# Altium PCB PCB.PcbDoc
Units mm, origin at the board's own origin, x right, y up, seen from the top; angles counter-clockwise.
Board outline 40.26 x 40.9 mm, 2 copper layers (Top Layer, Bottom Layer); 46 components, 56 nets, 198 pads, 74 vias.
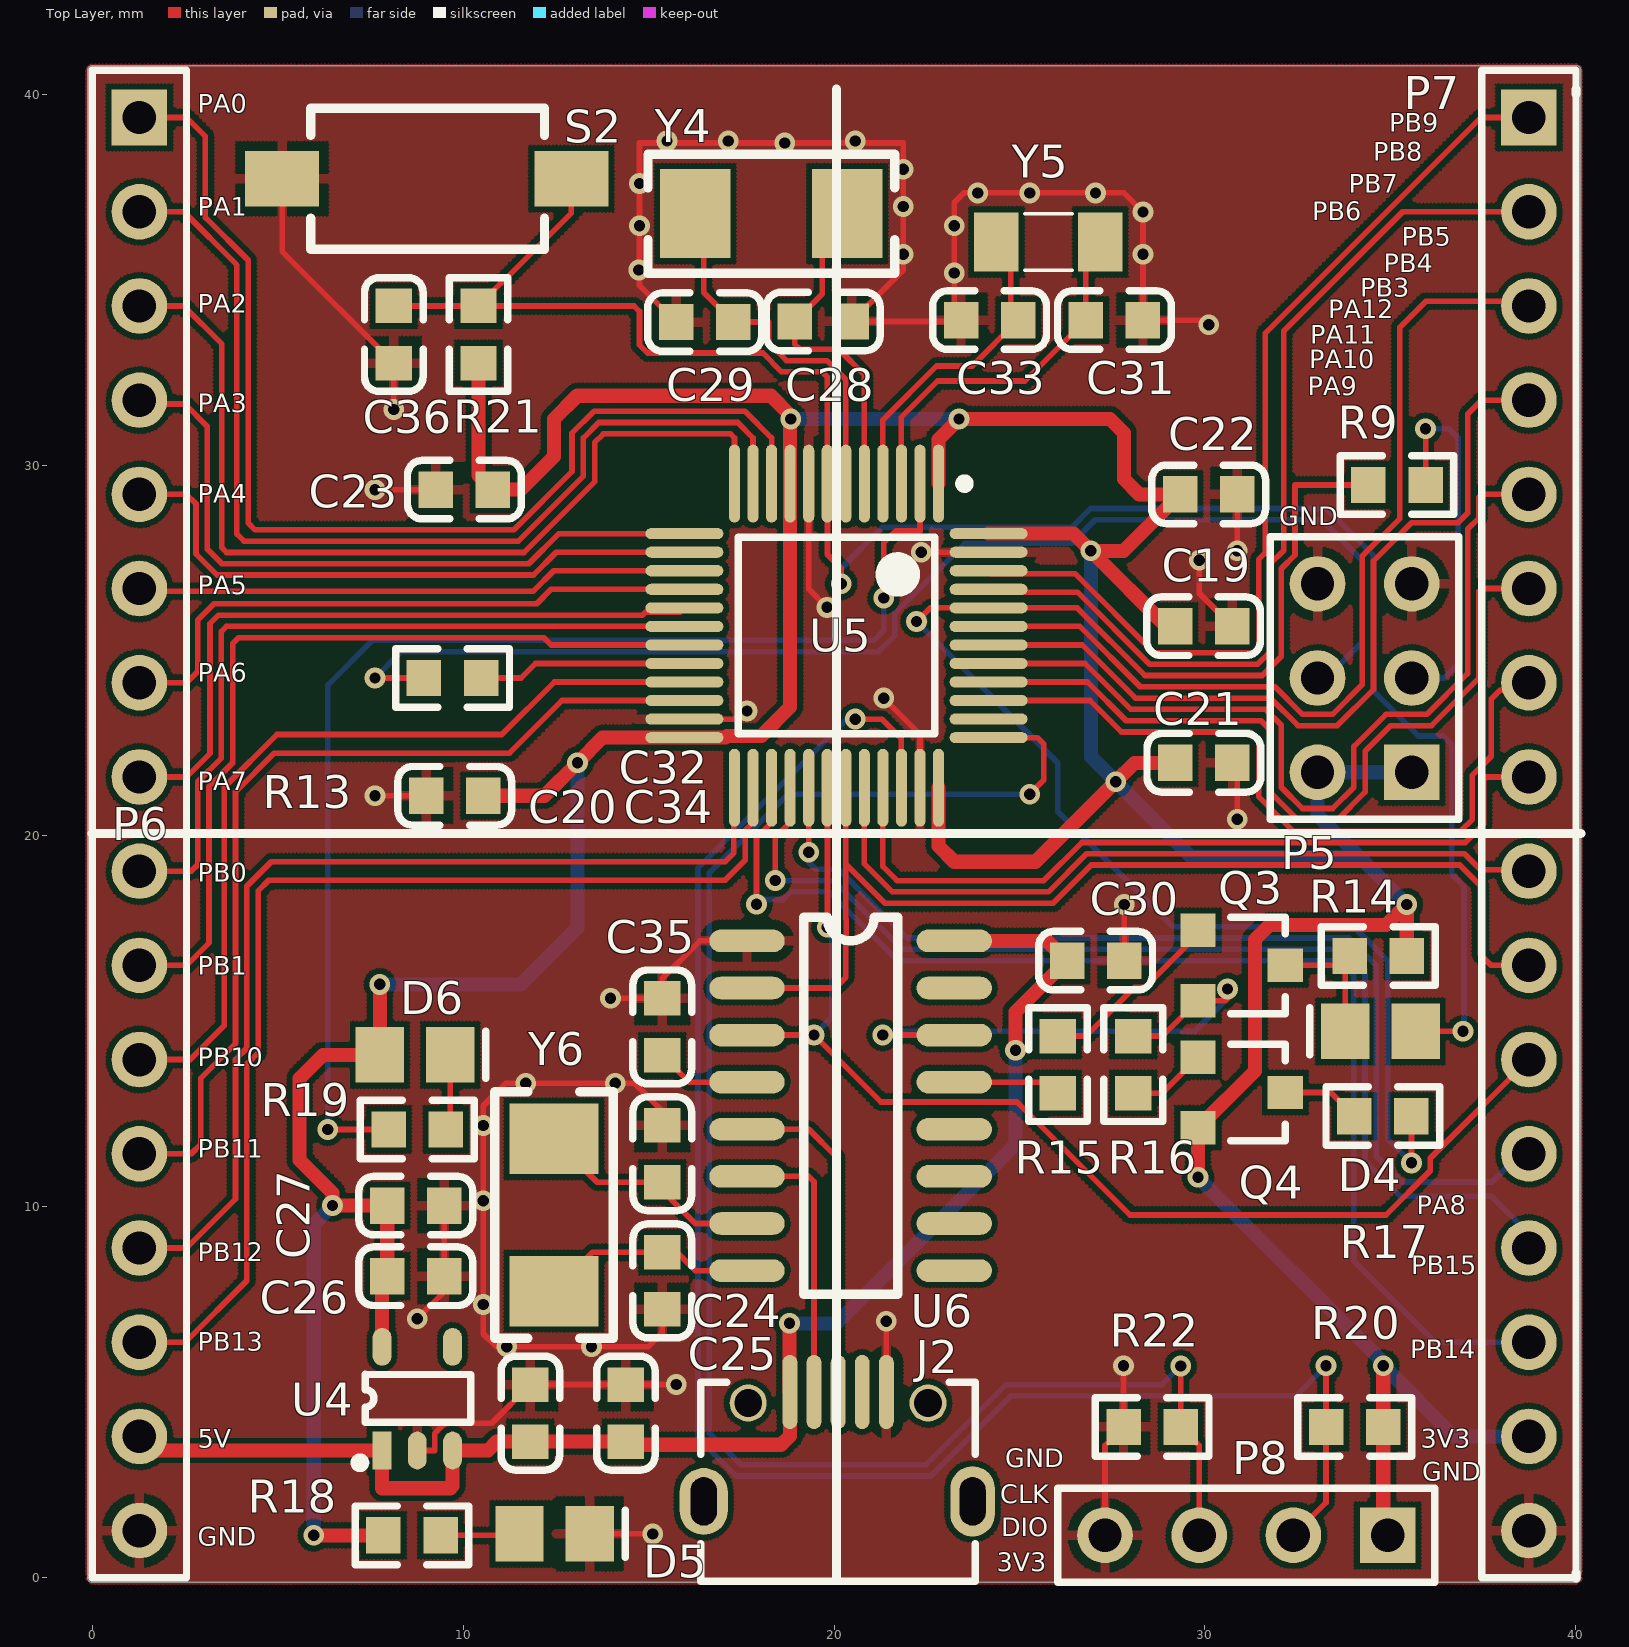
[diagram p0: Top Layer view]
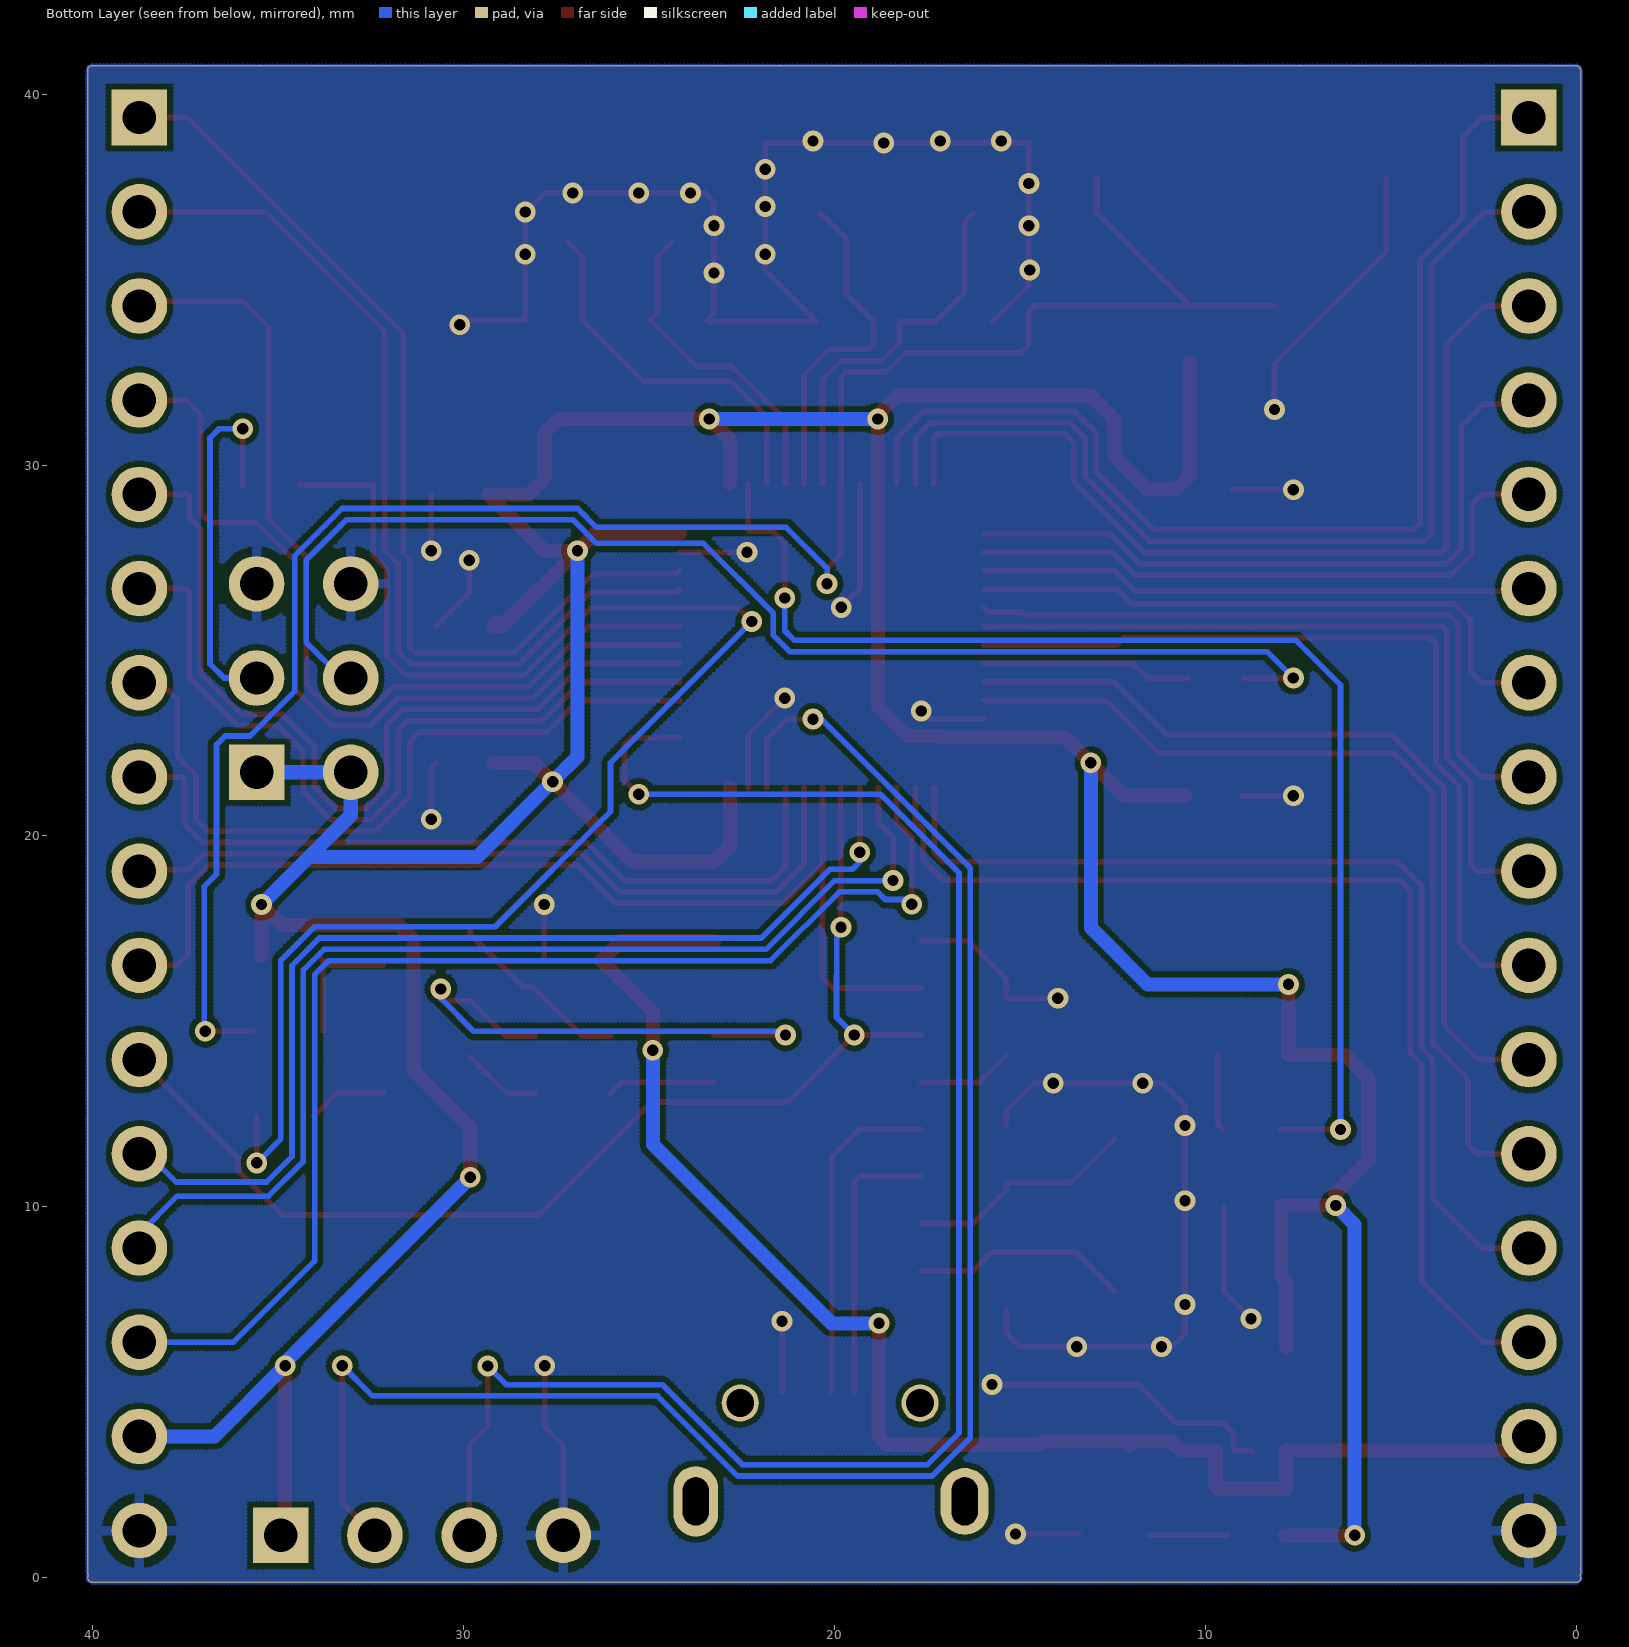
[diagram p1: Bottom Layer view, seen from below]
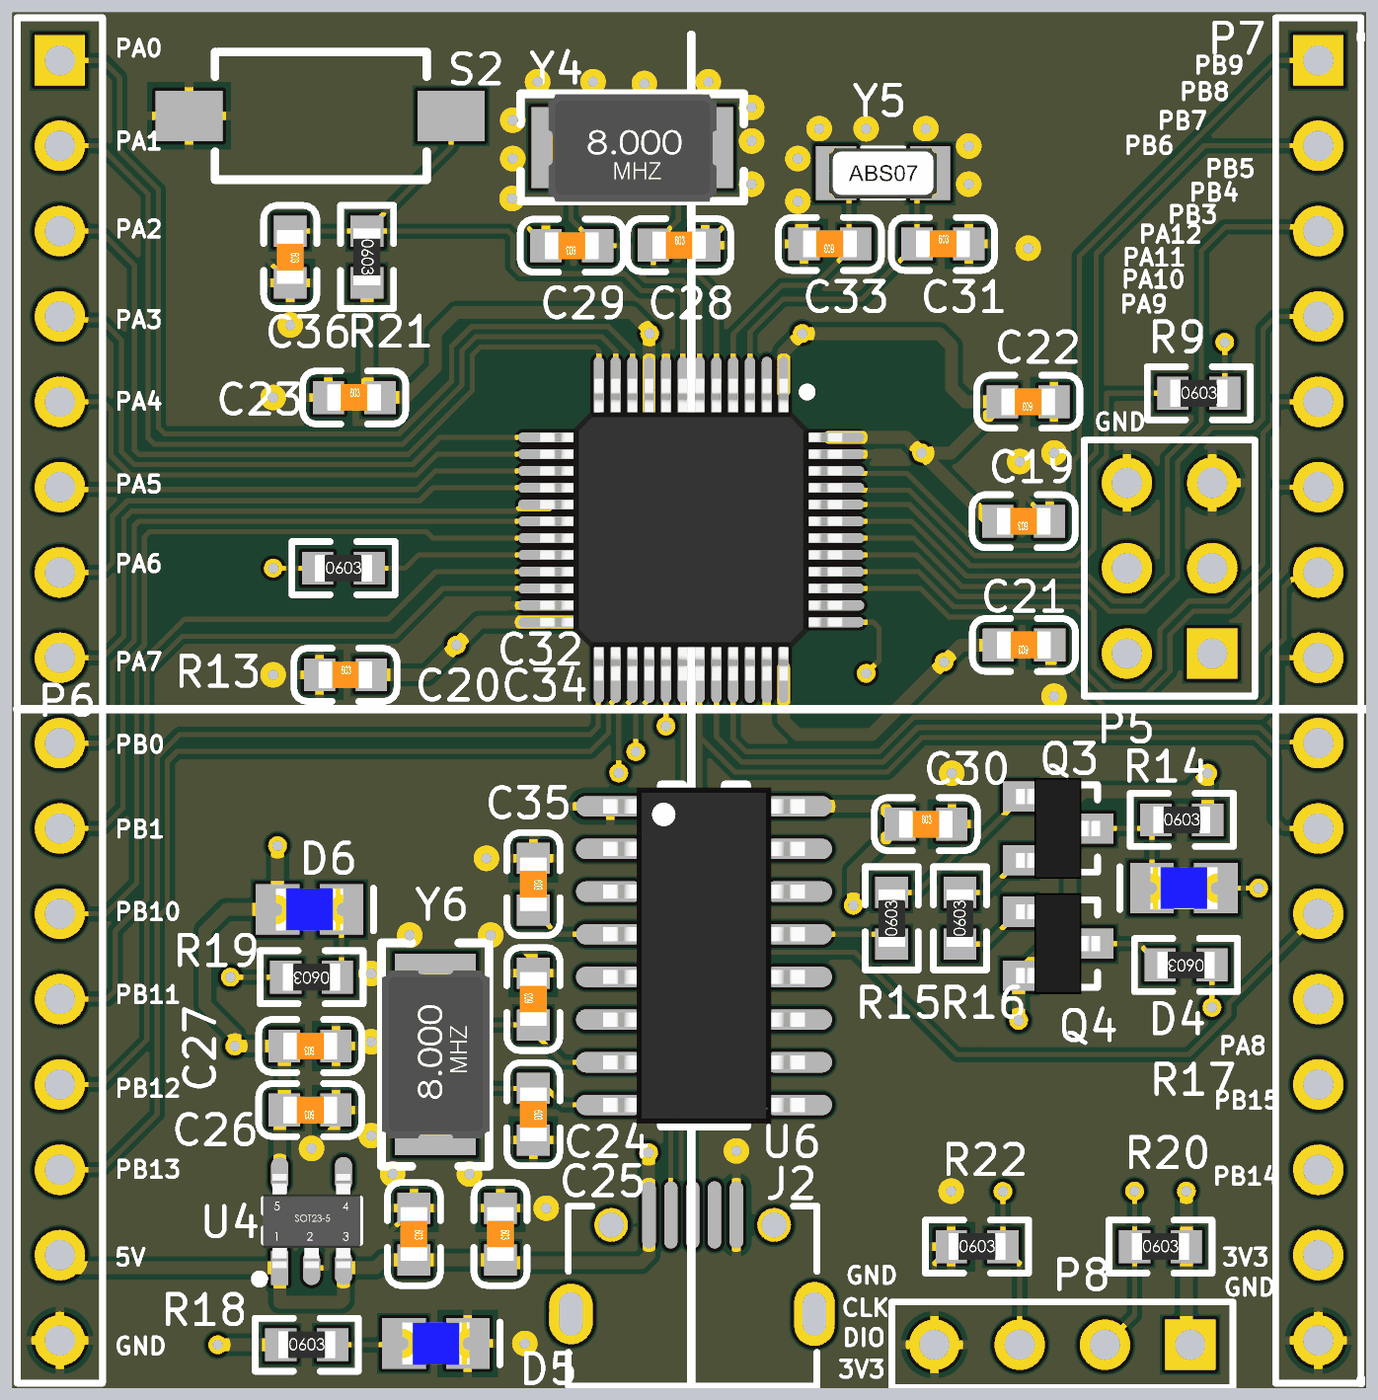
[diagram p2: 3D render of the assembled board from above, using the file's embedded part models]

## Layer stack, top to bottom
Top Solder: solder mask 0.0102, Solder Resist, Dk 3.5
Top Layer: signal copper 0.0356
Dielectric 1: dielectric 0.32, FR-4, Dk 4.8
Bottom Layer: signal copper 0.0356
Bottom Solder: solder mask 0.0102, Solder Resist, Dk 3.5

## Board outline
-0.11,0.064 cw(c0,0.127) -0.127,0.127 -0.127,40.638 cw(c0,40.638) 0,40.766 40.005,40.771 cw(c40.005,40.643) 40.132,40.643 40.132,0.132 cw(c40.005,0.132) 40.111,0.062 cw(c40,0) 40.127,0 cw(c40,0) 40,-0.127 0,-0.127 cw(c0,0)

## Design rules (kind name [scope] priority, off if disabled: settings)
Clearance [All] p1: gap=0.152 ignorepadtopadclearanceinfootprint=FALSE
DiffPairsRouting [All] p1: maxlimit=0.178 minlimit=0.178 mostfreqgap=0.178 toplayer_minwidth=0.152 toplayer_maxwidth=0.152 toplayer_prefwidth=0.152 bottomlayer_minwidth=0.152 bottomlayer_maxwidth=0.152 bottomlayer_prefwidth=0.152 maxuncoupledlength=12.7
PolygonConnect [All] p1: thpad.connectstyle=Relief thpad.reliefconductorwidth=0.254 thpad.reliefentries=4 thpad.polygonreliefangle="90 Angle" thpad.airgapwidth=0.254 smdpad.connectstyle=Relief smdpad.reliefconductorwidth=0.254 smdpad.reliefentries=4 smdpad.polygonreliefangle="90 Angle" smdpad.airgapwidth=0.254 via.connectstyle=Direct via.reliefconductorwidth=0.254 via.reliefentries=4 via.polygonreliefangle="90 Angle" via.airgapwidth=0.254
RoutingVias [All] p1: holewidth=0.305 width=0.559 viastyle="Through Hole" minholewidth=0.305 minwidth=0.559 maxholewidth=0.305 maxwidth=0.559
SilkToSilkClearance [All] p1: silktosilkclearance=0.051
SilkToSolderMaskClearance [IsPad] p1: minsilkscreentomaskgap=0.051 clearancetoexposedcopper=TRUE
SolderMaskExpansion [All] p1: expansion=0.102
Width pwr [InNetClass('PWR')] p1: maxlimit=1.524 minlimit=0.381 preferedwidth=0.381
Width [All] p2: maxlimit=0.152 minlimit=0.152 preferedwidth=0.152
27 further rules are at their usual default settings.

## Classes and differential pairs
net class pwr: 3V3 5V
differential pair USB: +D+ -D-

## Components (designator, comment, footprint, x,y, rotation, side; value= is the part's Value field where it differs from the comment)
C19 "Cap" 0603_C 29.964,25.654 r180 top value=0.1uF
C20 "Cap" 0603_C 9.771,21.082 r0 top value=0.1uF
C21 "Cap" 0603_C 29.972,21.971 r180 top value=0.1uF
C22 "Cap" 0603_C 30.099,29.21 r180 top value=0.1uF
C23 "Cap" 0603_C 10.033,29.337 r0 top value=0.1uF
C24 "Cap" 0603_C 11.811,4.437 r270 top value=0.1uF
C25 "Cap" 0603_C 14.387,4.437 r270 top value=1uF
C26 "Cap" 0603_C 8.722,8.128 r180 top value=1uF
C27 "Cap" 0603_C 8.722,10.033 r180 top value=0.1uF
C28 "Cap" 0603_C 19.706,33.872 r0 top value=22pF
C29 "Cap" 0603_C 16.51,33.856 r180 top value=22pF
C30 "Cap" 0603_C 27.051,16.637 r0 top value=0.1uF
C31 "Cap" 0603_C 27.559,33.909 r0 top value=22pF
C32 "Cap" 0603_C 15.367,14.851 r270 top value=0.1uF
C33 "Cap" 0603_C 24.193,33.909 r180 top value=22pF
C34 "Cap" 0603_C 15.367,11.432 r90 top value=22pF
C35 "Cap" 0603_C 15.367,8.003 r270 top value=22pF
C36 "Cap" 0603_C 8.128,33.52 r270 top value=0.1uF
D4 "LED0" LED_0805_Blue 34.732,14.732 r180 top
D5 "LED0" LED_0805_Blue 12.465,1.18 r0 top
D6 "LED0" LED_0805_Blue 8.702,14.097 r0 top
J2 "USB_M" USB 20.084,2.032 r0 top
P5 "Header 3*2" HDR3X2 34.306,24.257 r90 top
P6 "Header 16" HDR16X1_A 1.27,20.32 r270 top
P7 "Header 16" HDR16X1_A 38.735,20.32 r270 top
P8 "Header 4" HDR4X1_A 31.115,1.143 r180 top
Q3 "SS8050" SOT-23 30.988,16.51 r270 top
Q4 "SS8550" SOT-23 30.988,13.081 r270 top
R9 "Res1" 0603_R 35.179,29.464 r0 top value=10K
R13 "Res1" 0603_R 9.713,24.257 r0 top value=10K
R14 "Res1" 0603_R 34.671,16.764 r0 top value=10K
R15 "Res1" 0603_R 26.035,13.835 r90 top value=1K
R16 "Res1" 0603_R 28.067,13.835 r90 top value=1K
R17 "Res1" 0603_R 34.798,12.446 r180 top value=10K
R18 "Res1" 0603_R 8.62,1.142 r0 top value=1K
R19 "Res1" 0603_R 8.763,12.083 r180 top value=1K
R20 "Res1" 0603_R 34.036,4.064 r0 top value=10K
R21 "Res1" 0603_R 10.414,33.52 r270 top value=10K
R22 "Res1" 0603_R 28.575,4.064 r0 top value=10K
S2 "SW-PB" SW_PB2_A1 9.017,37.719 r180 top
U4 "ME6211" SOT23-5 8.763,4.826 r90 top
U5 "STM32F103C8T6" LQFP-48_M 20.066,25.4 r270 top
U6 "CH340G" SOP-16 20.447,12.725 r0 top
Y4 "8M" 5032 18.308,36.777 r180 top
Y5 "32.768K" 3215 25.778,36.015 r180 top
Y6 "12M" 5032 12.446,9.779 r270 top

## Footprints (in the part's own frame and the unit in brackets; to place one, negate y for a bottom-side part, rotate by r counter-clockwise, add the part's x,y. Pads: shape width x height; smd on the part's side, far side on the other; paste and mask are expansions set on the pad)
0603_C [mm]
  rect 0.93x0.98 smd: 1(-0.77,0) 2(0.77,0)
  silkscreen extent -1.53,-0.79 1.54,0.79, body extent -0.8,-0.4 0.8,0.4, height 0.3
0603_R [mm]
  rect 0.93x0.98 smd: 1(-0.77,0) 2(0.77,0)
  silkscreen extent -1.53,-0.79 1.54,0.79, body extent -0.85,-0.4 0.85,0.4, height 0.56
3215 [mm]
  rect 1.2x1.6 smd: 1(-1.4,0) 2(1.4,0)
  silkscreen extent -0.64,-0.76 0.64,0.76, body extent -1.61,-0.76 1.61,0.76, height 0.91
5032 [mm]
  rect 1.9x2.4 smd: 1(-2.05,0) 2(2.05,0)
  silkscreen extent -3.32,-1.6 3.32,1.6, body extent -2.51,-1.59 2.49,1.61, height 1.2
HDR3X2 [mm]
  rect 1.5x1.5 hole 0.9: 1(-2.54,-1.27)
  round 1.5 hole 0.9: 2(-2.54,1.27) 3(0,-1.27) 4(0,1.27) 5(2.54,-1.27) 6(2.54,1.27)
  silkscreen extent -3.81,-2.54 3.81,2.54, body extent -3.81,-2.54 3.81,2.54, height 8.57
HDR4X1_A [mm]
  rect 1.5x1.5 hole 0.9: 1(-3.81,0)
  round 1.5 hole 0.9: 2(-1.27,0) 3(1.27,0) 4(3.81,0)
  silkscreen extent -5.08,-1.27 5.08,1.27, body extent -5.08,-1.27 5.08,1.27, height 8.57
HDR16X1_A [mm]
  rect 1.5x1.5 hole 0.9: 1(-19.05,0)
  round 1.5 hole 0.9: 2(-16.51,0) 3(-13.97,0) 4(-11.43,0) 5(-8.89,0) 6(-6.35,0) 7(-3.81,0) 8(-1.27,0) 9(1.27,0) 10(3.81,0) 11(6.35,0) 12(8.89,0) 13(11.43,0) 14(13.97,0) 15(16.51,0) 16(19.05,0)
  silkscreen extent -20.32,-1.27 20.32,1.27, body extent -20.32,-1.27 20.32,1.27, height 8.57
LED_0805_Blue [mm]
  rect 1.3x1.5 smd: 1(-0.95,0) 2(0.95,0)
  silkscreen extent 1.91,-0.63 1.91,0.64, body extent -1,-0.63 1,0.62, height 1.1
LQFP-48_M [mm]
  oval 2.1x0.3 smd: 1(-4.1,2.75) 2(-4.1,2.25) 3(-4.1,1.75) 4(-4.1,1.25) 5(-4.1,0.75) 6(-4.1,0.25) 7(-4.1,-0.25) 8(-4.1,-0.75) 9(-4.1,-1.25) 10(-4.1,-1.75) 11(-4.1,-2.25) 12(-4.1,-2.75) 25(4.1,-2.75) 26(4.1,-2.25) 27(4.1,-1.75) 28(4.1,-1.25) 29(4.1,-0.75) 30(4.1,-0.25) 31(4.1,0.25) 32(4.1,0.75) 33(4.1,1.25) 34(4.1,1.75) 35(4.1,2.25) 36(4.1,2.75)
  oval 0.3x2.1 smd: 13(-2.75,-4.1) 14(-2.25,-4.1) 15(-1.75,-4.1) 16(-1.25,-4.1) 17(-0.75,-4.1) 18(-0.25,-4.1) 19(0.25,-4.1) 20(0.75,-4.1) 21(1.25,-4.1) 22(1.75,-4.1) 23(2.25,-4.1) 24(2.75,-4.1) 37(2.75,4.1) 38(2.25,4.1) 39(1.75,4.1) 40(1.25,4.1) 41(0.75,4.1) 42(0.25,4.1) 43(-0.25,4.1) 44(-0.75,4.1) 45(-1.25,4.1) 46(-1.75,4.1) 47(-2.25,4.1) 48(-2.75,4.1)
  silkscreen extent -4.22,-2.65 2.65,3.57, body extent -4.5,-4.5 4.5,4.5, height 1.6
SOP-16 [mil]
  oval 80x24 smd: 1(-110,175) 2(-110,125) 3(-110,75) 4(-110,25) 5(-110,-25) 6(-110,-75) 7(-110,-125) 8(-110,-175) 9(110,-175) 10(110,-125) 11(110,-75) 12(110,-25) 13(110,25) 14(110,75) 15(110,125) 16(110,175)
  silkscreen extent -50,-200 50,200, body extent -118,-197 118,197, height 69
SOT23-5 [mil]
  rect 40x20 smd: 1(-55,37.4)
  oval 40x20 smd: 2(-55,0) 3(-55,-37.4) 4(55,-37.4) 5(55,37.4)
  silkscreen extent -73,-57 26,66, body extent -55,-57 55,57, height 43
SOT-23 [mm]
  rect 0.9x0.95 smd: 1(-0.95,-1.175) 2(0.95,-1.175) 3(0,1.175)
  silkscreen extent -1.3,-0.3 1.3,1.18, body extent -1.5,-1.25 1.5,1.25, height 1.08
SW_PB2_A1 [mm]
  rect 2x1.5 smd: 1(-3.9,0) 2(3.9,0)
  silkscreen extent -3.17,-1.9 3.13,1.9, body extent -3.96,-1.94 3.93,1.91, height 2.5
USB [mm]
  oval 1.3x1.8 hole 0.7 slot 1.3 at 90 deg: 0(-3.6,0.025)
  round 1 hole 0.75: 0(-2.4,2.675) 0(2.45,2.675)
  oval 1.2x1.9 hole 0.7 slot 1.3 at 90 deg: 0(3.65,0.025)
  oval 0.4x2 smd: 1(-1.275,2.975) 2(-0.625,2.975) 3(0.025,2.975) 4(0.675,2.975) 5(1.325,2.975)
  silkscreen extent -3.67,-2.12 3.73,3.24, body extent -4,-2.64 4.05,2.94, height 2.72

## Part data
C19 C20 C21 C22 C23 C24 C25 C26 C27 C28 C29 C30 C31 C32 C33 C34 C35 C36: "无极性电容", LatestRevisionDate=17-Jul-2002, LatestRevisionNote="Re-released for DXP Platform.", PackageReference=RAD-0.3, Published=8-Jun-2000, Publisher="Altium Limited"
D4 D5 D6: "发光二极管", LatestRevisionDate=08-Jul-2005, LatestRevisionNote="Mech Layer 1 removed.", PackageReference=LED-0, Published=8-Jun-2000, Publisher="Altium Limited"
J2: "MicroUSB接口"
P5 P8: "接插件"
  P8: LatestRevisionDate=17-Jul-2002, LatestRevisionNote="Re-released for DXP Platform.", Publisher="Altium Limited"
P6 P7: "Header16贴片", LatestRevisionDate=17-Jul-2002, LatestRevisionNote="Re-released for DXP Platform.", Publisher="Altium Limited"
Q3: "NPN贴片三极管", PackageDocument=Sep-1998, Code_JEDEC=TO-92A, ComponentLink1Description="Manufacturer Link", ComponentLink1URL=http://www.fairchildsemi.com/, ComponentLink2Description=Datasheet, ComponentLink2URL=http://www.fairchildsemi.com/ds/2N%2F2N3904.pdf, DatasheetDocument=1997, LatestRevisionDate=15-Jan-2003, LatestRevisionNote="PCB Footprint 'BCY-W3/D4.7' replaced", PackageReference=TO-92A, Published=8-Jun-2000, Publisher="Altium Limited"
Q4: "PNP贴片三极管", PackageDocument=Sep-1998, Code_JEDEC=TO-92A, ComponentLink1Description="Manufacturer Link", ComponentLink1URL=http://www.fairchildsemi.com/, ComponentLink2Description=Datasheet, ComponentLink2URL=http://www.fairchildsemi.com/ds/2N%2F2N3906.pdf, DatasheetDocument=1997, LatestRevisionDate=15-Jan-2003, LatestRevisionNote="PCB Footprint 'BCY-W3/D4.7' replaced", PackageReference=TO-92A, Published=8-Jun-2000, Publisher="Altium Limited"
R9 R13 R14 R15 R16 R17 R18 R19 R20 R21 R22: "贴片电阻", LatestRevisionDate=17-Jul-2002, LatestRevisionNote="Re-released for DXP Platform.", PackageReference=AXIAL-0.4, Published=8-Jun-2000, Publisher="Altium Limited"
S2: "微动开关", LatestRevisionDate=17-Jul-2002, LatestRevisionNote="Re-released for DXP Platform.", PackageReference=SPST-2, Published=24-Mar-1999, Publisher="Altium Limited"
U5: "STM32单片机48引脚"
U6: "串口芯片"
Y4 Y5 Y6: library part XTAL, "晶振", LatestRevisionDate=17-Jul-2002, LatestRevisionNote="Re-released for DXP Platform.", PackageReference=R38, Published=8-Jun-2000, Publisher="Altium Limited"

## Via types
v1: diameter 0.559, hole 0.305, Top Layer to Bottom Layer, 74 vias

## Nets (pads, with @x,y where several pads share a name; then routed paths per layer and width w, separated by ;. In a path a pad name is that pad's centre, name@x,y a point inside that pad or via, vN(x,y) a via of type N, cw(c..) or ccw(c..) an arc to the next point about the centre after c; other vN are vias at no path point)
3V3: C19.2 C20.2 C21.2 C22.2 C23.2 C26.2 C27.2 D6.1 P5.1 P5.2 P7.15 P8.1 Q4.2 R14.2 R18.1 R20.2 R21.2 U4.5 U5.1 U5.9 U5.24 U5.36 U5.48 | length 148.4
  Top Layer w0.381: v1(5.969,1.142) R18.1 ; v1(7.752,15.997) D6.1 6.223,14.097 5.588,13.462 5.588,11.257 6.477,10.368 v1(6.477,10.033) C27.2 C26.2 7.813,7.989 U4.5 ; R21.2 10.414,29.726 C23.2 11.557,29.337 12.446,30.226 12.446,31.242 13.074,31.87 18.295,31.87 18.816,31.349 U5.9 18.816,23.473 18.036,22.693 17.112,22.693 17.069,22.65 U5.24 13.76,22.65 v1(13.081,21.971) 12.192,21.082 C20.2 ; U5.36 22.816,19.729 23.241,19.304 25.435,19.304 v1(27.594,21.463) 28.102,21.971 C21.2 ; U5.1 22.816,30.69 v1(23.368,31.242) 27.44,31.242 27.813,30.869 27.813,29.627 28.23,29.21 C22.2 27.805,27.686 v1(26.924,27.686) ; U5.48 26.46,28.15 v1(26.924,27.686) ; C19.2@29.083,25.765 C19.2 28.956,25.654 v1(26.924,27.686) ; v1(29.813,10.795) Q4.2 31.345,13.663 31.345,17.206 31.736,17.597 34.885,17.597 v1(35.441,18.153) R14.2 ; v1(34.806,5.715) R20.2 34.806,1.262 P8.1
  Bottom Layer w0.381: v1(5.969,1.142) 5.969,9.525 v1(6.477,10.033) ; v1(7.752,15.997) 11.552,15.997 13.081,17.526 v1(13.081,21.971) ; v1(18.829,31.242) v1(23.368,31.242) ; v1(26.924,27.686) 26.924,22.133 v1(27.594,21.463) 29.626,19.431 34.163,19.431 ; v1(29.813,10.795) 34.806,5.802 v1(34.806,5.715) 36.711,3.81 P7.15 ; v1(35.441,18.153) 34.163,19.431 ; P5.1 P5.2 33.036,20.558 34.163,19.431
5V: C24.2 C25.2 C30.1 J2.1 P6.15 U4.1 U4.3 U6.16 | length 39.8
  Top Layer w0.381: P6.15 1.651,3.429 U4.1 7.813,2.413 9.652,2.413 9.713,2.474 U4.3 10.668,3.429 10.906,3.667 C24.2 ; C24.2@12.053,3.569 11.955,3.667 C25.2 14.471,3.583 18.569,3.583 18.809,3.823 J2.1 18.796,5.021 v1(18.796,6.858) ; U6.16 25.748,17.17 C30.1 24.892,15.248 v1(24.892,14.224)
  Bottom Layer w0.381: v1(18.796,6.858) 20.066,6.858 24.892,11.684 v1(24.892,14.224)
BOOT0: R9.1 R17.1 U5.44 | length 42.2
  Top Layer w0.152: v1@22.447,25.781 v1(22.225,25.781) 22.594,26.15 U5.44 26.558,26.15 28.382,24.326 31.546,24.326 32.057,24.837 32.057,27.202 32.428,27.573 32.428,29.463 32.429,29.464 R9.1 ; v1(35.568,11.184) R17.1
  Bottom Layer w0.152: v1(22.225,25.781) 26.033,21.973 26.033,20.66 29.141,17.551 34.011,17.551 34.925,16.637 34.925,11.827 v1(35.568,11.184)
BOOT1: R13.2 U5.20 | length 5.6
  Top Layer w0.152: R13.2 11.557,24.257 11.95,24.65 U5.20
CLK: P8.3 R22.2 U5.37 | length 46.6
  Top Layer w0.152: U5.37 25.483,22.65 25.654,22.479 25.654,21.507 v1(25.273,21.126) ; v1@29.337,5.715 v1(29.345,5.707) R22.2 29.845,3.564 P8.3
  Bottom Layer w0.152: v1(25.273,21.126) 18.756,21.126 16.637,19.006 16.637,3.896 17.485,3.048 22.479,3.048 24.637,5.206 28.844,5.206 v1(29.345,5.707)
D+: J2.3 U6.5 | length 9.1
  Top Layer w0.152: U6.5 19.316,12.09 20.066,11.34 20.066,5.051 J2.3
D-: J2.2 U6.6 | length 7.5
  Top Layer w0.152: U6.6 19.316,10.82 19.459,10.677 J2.2
DIO: P8.2 R20.1 U5.34 | length 47.3
  Top Layer w0.152: v1@20.835,23.15 21.287,23.15 21.816,22.621 U5.34 ; P8.2 33.266,2.024 R20.1 v1(33.266,5.715)
  Bottom Layer w0.152: v1(20.574,23.15) 20.35,23.15 16.332,19.133 16.332,3.77 17.359,2.743 22.605,2.743 24.764,4.901 32.452,4.901 v1(33.266,5.715)
GND: C19.1 C20.1 C21.1 C22.1 C23.1 C24.1 C25.1 C26.1 C27.1 C28.2 C29.2 C30.2 C31.2 C32.1 C33.2 C34.2 C35.2 C36.2 D5.2 J2.5 P5.5 P5.6 P6.16 P7.16 P8.4 R22.1 S2.2 U4.2 U5.8 U5.23 U5.35 U5.47 U6.1 | length 103.3
  Top Layer w0.152: S2.2 5.117,35.761 C36.2 v1(8.128,31.496) ; v1(7.62,21.082) C20.1 ; v1(7.62,29.337) C23.1 ; U4.2 9.23,3.429 9.23,3.883 9.513,4.166 10.77,4.166 C24.1 C25.1 v1(15.748,5.207) ; v1(8.763,6.985) 9.492,7.714 C26.1 C27.1 ; D5.2 v1(15.113,1.18) ; v1(13.97,15.621) C32.1 15.367,16.154 16.383,17.17 U6.1 ; C35.2 15.367,6.604 14.986,6.223 10.897,6.223 10.541,6.579 10.541,12.725 11.151,13.335 14.613,13.335 15.367,12.581 C34.2 ; C29.2 14.752,34.844 14.752,38.682 21.864,38.682 21.864,35.26 C28.2 23.386,33.872 C33.2 23.241,34.091 v1(23.241,35.179) v1(23.241,36.449) 23.241,37.084 23.495,37.338 27.813,37.338 v1(28.329,36.822) v1(28.329,35.687) C31.2 29.972,33.909 v1(30.099,33.782) ; U5.23 17.435,23.15 v1(17.653,23.368) ; U5.8 19.316,26.658 v1(19.812,26.162) ; v1(21.336,23.716) 22.316,22.736 U5.35 ; J2.5 v1(21.409,6.912) ; v1(22.352,27.65) U5.47 ; P8.4 27.305,3.564 R22.1 v1(27.805,5.715) ; v1@27.813,18.161 v1(27.821,18.153) C30.2 ; v1(29.845,27.432) 29.845,26.543 C19.1 ; C21.1 30.869,21.844 v1(30.869,20.447) ; v1(30.869,27.686) C22.1
  other v1: 11.176,6.223 13.462,6.223 10.541,7.366 10.541,10.16 10.541,12.192 11.684,13.335 14.097,13.335 14.732,35.26 21.864,35.687 14.752,36.449 21.864,36.971 23.876,37.338 25.273,37.338 27.051,37.338 14.752,37.592 21.864,37.973 18.669,38.682 15.494,38.735 17.145,38.735 20.574,38.735
NetC32_2: C32.2 U6.4 | length 2.6
  Top Layer w0.152: C32.2 16.088,13.36 U6.4
NetC34_1: C34.1 U6.7 Y6.1 | length 6.3
  Top Layer w0.152: Y6.1 13.613,10.662 C34.1 15.367,10.439 16.256,9.55 U6.7
NetC35_1: C35.1 U6.8 Y6.2 | length 5.8
  Top Layer w0.152: Y6.2 13.49,8.773 C35.1 15.763,8.773 16.256,8.28 U6.8
NetD4_2: D4.2 Q3.3 R14.1 | length 3.8
  Top Layer w0.152: Q3.3 33.647,16.51 R14.1@33.782,16.645 ; D4.2 R14.1@33.782,16.645 ; R14.1 R14.1@33.782,16.645
NetD5_1: D5.1 R18.2 | length 2.1
  Top Layer w0.152: R18.2 D5.1@11.515,1.142
NetD6_2: D6.2 R19.1 | length 2.1
  Top Layer w0.152: R19.1 9.652,12.202 D6.2
NetP5_3: P5.3 R9.2 | length 10
  Top Layer w0.152: R9.2 v1(35.949,30.98)
  Bottom Layer w0.152: P5.3 36.449,24.257 36.83,24.638 36.83,30.734 36.584,30.98 v1(35.949,30.98)
NetP5_4: P5.4 R13.1 | length 34.3
  Top Layer w0.152: v1(7.62,24.257) R13.1
  Bottom Layer w0.152: v1(7.62,24.257) 8.331,24.968 21.201,24.968 21.641,25.408 21.641,26.002 23.528,27.889 26.409,27.889 27.044,28.524 33.148,28.524 34.239,27.433 34.239,25.222 33.274,24.257 P5.4
NetQ3_1: Q3.1 R15.2 | length 5
  Top Layer w0.152: R15.2 26.789,14.605 28.102,15.918 28.381,15.918 29.813,17.351 Q3.1
NetQ3_2: Q3.2 R16.2 U6.14 | length 15.1
  Top Layer w0.152: v1(21.312,14.63) U6.14 ; R16.2 28.858,14.605 Q3.2 30.554,15.56 30.607,15.613 v1(30.607,15.875)
  Bottom Layer w0.152: v1(21.312,14.63) 21.414,14.732 29.726,14.732 30.607,15.613 v1(30.607,15.875)
NetQ4_1: Q4.1 R16.1 | length 2.1
  Top Layer w0.152: R16.1 28.847,13.065 Q4.1
NetQ4_3: Q4.3 R17.2 | length 2.1
  Top Layer w0.152: Q4.3 33.393,13.081 R17.2
NetR15_1: R15.1 U6.13 | length 2.9
  Top Layer w0.152: U6.13 25.74,13.36 R15.1
NRST: C36.1 D4.1 R21.1 S2.1 U5.7 | length 54.7
  Top Layer w0.152: C36.1 R21.1 ; S2.1 12.917,36.793 11.024,34.9 11.006,34.9 10.414,34.307 R21.1 ; v1(20.193,26.797) 20.193,27.218 19.816,27.595 19.824,27.603 19.824,29.492 U5.7 19.816,32.377 19.681,32.512 18.587,32.512 18.079,33.02 14.973,33.02 14.752,33.241 14.752,34.143 14.605,34.29 R21.1 ; D4.1 v1(36.957,14.732)
  Bottom Layer w0.152: v1(20.193,26.797) 20.193,27.217 21.297,28.321 26.41,28.321 26.918,28.829 33.274,28.829 34.544,27.559 34.544,23.905 35.753,22.696 36.421,22.696 36.659,22.458 36.659,18.966 36.986,18.639 36.986,14.761 v1(36.957,14.732)
OSCIN: C28.1 U5.5 Y4.1 | length 9.3
  Top Layer w0.152: Y4.1 19.685,36.104 19.685,34.621 C28.1 18.936,33.261 19.075,33.122 20.125,33.122 20.816,32.431 U5.5
OSCOUT: C29.1 U5.6 Y4.2 | length 10.2
  Top Layer w0.152: Y4.2 16.484,36.551 16.484,34.652 C29.1 18.243,33.856 18.243,33.287 18.713,32.817 19.807,32.817 20.316,32.308 U5.6
PA0: P6.1 U5.10 | length 30.5
  Top Layer w0.152: P6.1 2.54,39.37 3.048,38.862 3.048,36.677 4.203,35.522 4.203,28.436 4.386,28.253 11.362,28.253 12.935,29.826 12.935,30.86 13.527,31.451 17.599,31.451 18.316,30.734 U5.10
PA1: P6.2 U5.11 | length 27.8
  Top Layer w0.152: P6.2 2.464,36.83 3.898,35.396 3.898,28.14 4.089,27.948 11.488,27.948 13.24,29.7 13.24,30.733 13.653,31.147 17.403,31.147 17.816,30.734 U5.11
PA2: P6.3 U5.12 | length 25.2
  Top Layer w0.152: P6.3 2.464,34.29 3.493,33.261 3.493,27.769 3.619,27.643 11.641,27.643 13.545,29.547 13.545,30.607 13.78,30.842 17.208,30.842 17.316,30.734 U5.12
PA3: P6.4 U5.13 | length 18.8
  Top Layer w0.152: P6.4 1.375,31.645 2.498,31.645 3.099,31.044 3.099,27.732 3.493,27.338 11.767,27.338 12.579,28.15 U5.13
PA4: P6.5 U5.14 | length 16.6
  Top Layer w0.152: P6.5 2.54,29.21 2.794,28.956 2.794,27.606 3.366,27.034 11.894,27.034 12.51,27.65 U5.14
PA5: P6.6 U5.15 | length 15
  Top Layer w0.152: P6.6 1.338,26.602 11.893,26.602 12.441,27.15 U5.15
PA6: P6.7 U5.16 | length 16.6
  Top Layer w0.152: P6.7 2.54,24.13 2.841,24.431 2.841,25.822 3.279,26.26 11.982,26.26 12.372,26.65 U5.16
PA7: P6.8 U5.17 | length 18.6
  Top Layer w0.152: P6.8 2.54,21.59 3.175,22.225 3.175,25.725 3.405,25.955 14.835,25.955 14.909,26.029 15.845,26.029 U5.17
PA8: P7.12 U5.29 | length 28.5
  Top Layer w0.152: v1(19.316,19.558) U5.29
  Bottom Layer w0.152: v1(19.316,19.558) 19.316,19.292 19.507,19.101 20.115,19.101 21.97,17.247 33.884,17.247 34.62,16.511 34.62,11.354 35.306,10.668 37.747,10.668 38.509,11.43 P7.12 P7.12@38.608,11.557
PA9: P7.11 U5.30 U6.3 | length 31.9
  Top Layer w0.152: U6.3 v1(19.459,14.63) 21.263,12.827 24.929,12.827 27.977,9.779 34.881,9.779 36.076,10.974 36.076,11.311 P7.11 ; U5.30 19.824,21.292 19.824,17.543 v1(19.82,17.539)
  Bottom Layer w0.152: v1(19.459,14.63) 19.939,15.11 19.935,17.424 v1(19.82,17.539)
PA10: P7.10 U5.31 U6.2 | length 29.4
  Top Layer w0.152: U6.2 20.033,15.9 20.316,16.184 20.316,17.316 20.328,17.328 20.328,17.749 20.316,17.761 20.316,19.246 ; U5.31 20.316,19.246 ; P7.10 37.719,16.51 37.427,16.802 37.427,18.657 36.87,19.214 26.935,19.214 25.907,18.186 21.376,18.186 20.316,19.246
PA11: P7.9 U5.32 | length 20.9
  Top Layer w0.152: U5.32 20.816,19.246 21.571,18.491 25.78,18.491 26.808,19.519 36.996,19.519 37.427,19.088 P7.9@38.735,19.088
PA12: P7.8 U5.33 | length 21.6
  Top Layer w0.152: U5.33 21.316,19.177 21.697,18.796 25.654,18.796 26.682,19.824 37.019,19.824 37.516,20.321 37.516,21.514 37.592,21.59 P7.8
PB0: P6.9 U5.18 | length 20.7
  Top Layer w0.152: P6.9 2.667,19.05 2.841,19.224 2.841,21.46 3.48,22.099 3.48,25.514 3.616,25.65 U5.18
PB1: P6.10 U5.19 | length 22.8
  Top Layer w0.152: P6.10 2.54,16.51 3.146,17.116 3.146,21.334 3.785,21.972 3.785,25.185 3.945,25.345 12.181,25.345 12.376,25.15 U5.19
PB3: P7.7 U5.39 | length 20.2
  Top Layer w0.152: U5.39 26.902,23.65 27.751,22.802 31.189,22.802 31.448,22.543 31.448,21.059 32.378,20.129 36.893,20.129 37.211,20.447 37.211,21.64 37.719,22.148 37.719,23.696 37.948,23.925 38.53,23.925 P7.7
PB4: P7.6 U5.40 | length 21.7
  Top Layer w0.152: U5.40 26.833,24.15 27.877,23.107 31.509,23.107 31.753,22.863 31.753,21.185 32.504,20.434 33.568,20.434 34.319,21.185 34.319,22.284 35.009,22.974 36.108,22.974 37.389,24.255 37.389,26.594 37.465,26.67 P7.6
PB5: P7.5 U5.41 | length 23.9
  Top Layer w0.152: U5.41 26.764,24.65 28.003,23.411 31.636,23.411 32.057,22.99 32.057,21.312 32.631,20.738 33.441,20.738 34.015,21.312 34.015,22.41 34.883,23.278 35.981,23.278 37.084,24.381 37.084,28.271 37.389,28.576 37.389,29.134 37.465,29.21 P7.5
PB6: P7.4 U5.42 | length 22.7
  Top Layer w0.152: U5.42 26.696,25.15 28.129,23.716 31.762,23.716 32.504,22.974 33.568,22.974 34.544,23.95 34.544,27.414 35.578,28.448 36.83,28.448 37.084,28.702 37.084,31.369 37.465,31.75 P7.4
PB7: P7.3 U5.43 | length 25.2
  Top Layer w0.152: U5.43 26.627,25.65 28.256,24.021 31.888,24.021 32.631,23.278 33.441,23.278 34.239,24.076 34.239,27.541 35.255,28.557 35.255,33.715 35.957,34.417 P7.3@38.735,34.417
PB8: P7.2 U5.45 | length 25.3
  Top Layer w0.152: U5.45 24.242,26.574 26.565,26.574 28.508,24.631 31.42,24.631 31.753,24.963 31.753,27.329 32.123,27.699 32.123,33.618 35.335,36.83 P7.2
PB9: P7.1 U5.46 | length 26.3
  Top Layer w0.152: U5.46 24.242,27.074 26.496,27.074 28.634,24.935 31.294,24.935 31.448,25.09 31.448,27.455 31.623,27.63 31.623,33.549 37.444,39.37 P7.1
PB10: P6.11 U5.21 | length 22.7
  Top Layer w0.152: P6.11 2.642,13.97 3.556,14.884 3.556,21.313 4.976,22.733 11.041,22.733 12.458,24.15 U5.21
PB11: P6.12 U5.22 | length 24.8
  Top Layer w0.152: P6.12 2.667,11.43 2.921,11.684 2.921,13.462 3.861,14.402 3.861,21.187 4.907,22.233 11.248,22.233 12.665,23.65 U5.22
PB12: P6.13 U5.25 | length 27
  Top Layer w0.152: P6.13 2.54,8.89 3.861,10.211 3.861,13.971 4.166,14.276 4.166,18.644 4.826,19.304 17.062,19.304 17.297,19.539 17.297,21.281 U5.25
PB13: P6.14 U5.26 | length 29.7
  Top Layer w0.152: P6.14 2.511,6.35 4.166,8.005 4.166,13.844 4.47,14.149 4.47,18.517 4.757,18.804 17.062,18.804 17.602,19.344 17.602,20.151 17.816,20.365 U5.26
PB14: P7.14 U5.27 | length 33.8
  Top Layer w0.152: v1(17.907,18.161) 17.907,19.956 18.316,20.365 U5.27
  Bottom Layer w0.152: v1(17.907,18.161) 18.034,18.288 18.625,18.288 18.829,18.491 19.863,18.491 21.717,16.637 33.632,16.637 34.011,16.258 34.011,8.534 36.195,6.35 P7.14
PB15: P7.13 U5.28 | length 30.3
  Top Layer w0.152: v1(18.415,18.796) 18.415,19.964 18.816,20.365 U5.28
  Bottom Layer w0.152: v1(18.415,18.796) 19.989,18.796 21.843,16.942 33.758,16.942 34.315,16.384 34.315,11.228 35.256,10.287 37.721,10.287 38.735,9.273 P7.13
PC13: R19.2 U5.2 | length 34
  Top Layer w0.152: v1(6.35,12.083) R19.2 ; v1(21.336,26.416) 21.336,27.898 21.659,28.221 22.316,28.221 U5.2
  Bottom Layer w0.152: v1(6.35,12.083) 6.35,24.074 7.549,25.273 21.075,25.273 21.336,25.534 v1(21.336,26.416)
PC14: C31.1 U5.3 Y5.1 | length 10.1
  Top Layer w0.152: U5.3 21.816,31.291 22.791,32.266 25.146,32.266 C31.1 26.789,35.626 Y5.1
PC15: C33.1 U5.4 Y5.2 | length 8.8
  Top Layer w0.152: U5.4 21.316,31.222 22.767,32.673 23.727,32.673 C33.1 24.765,34.107 24.765,35.628 Y5.2
pads on no net: J2.0 J2.4 U4.4 U5.38 U6.9 U6.10 U6.11 U6.12 U6.15

## Polygon pours and split planes (outlines as drawn)
GND on Top Layer "Top Layer-No Net" (hatched 90Degree grid 0.102 track 0.127, remove dead copper, pour order 2): -0.11,0.064 cw(c0,0.127) -0.127,0.127 -0.127,40.638 cw(c0,40.638) 0,40.766 40.005,40.771 cw(c40.005,40.643) 40.132,40.643 40.132,0.132 cw(c40.005,0.132) 40.111,0.062 cw(c40,0) 40.127,0 cw(c40,0) 40,-0.127 0,-0.127 cw(c0,0)
GND on Bottom Layer "Top Layer-No Net1" (hatched 90Degree grid 0.102 track 0.127, remove dead copper, pour order 3): -0.11,0.064 cw(c0,0.127) -0.127,0.127 -0.127,40.638 cw(c0,40.638) 0,40.766 40.005,40.771 cw(c40.005,40.643) 40.132,40.643 40.132,0.132 cw(c40.005,0.132) 40.111,0.062 cw(c40,0) 40.127,0 cw(c40,0) 40,-0.127 0,-0.127 cw(c0,0)

## Silkscreen, mask and mechanical layers (free items; w line width, h text height)
Top Overlay:
  lines w0.254: 0,20.066 20.066,20.066 ; 20.066,0 20.066,20.066 ; 20.066,40.132 20.066,20.066 ; 40.005,0 40.005,0.127 ; 40.005,40.005 40.005,40.132 ; 40.132,20.066 20.066,20.066
  text "PA0" at 2.845,39.497 h0.5
  text "PB9" at 34.976,38.989 h0.5
  text "PB8" at 34.544,38.202 h0.5
  text "PB7" at 33.884,37.338 h0.5
  text "PA1" at 2.845,36.728 h0.5
  text "PB6" at 32.893,36.601 h0.5
  text "PB5" at 35.306,35.916 h0.5
  text "PB4" at 34.823,35.204 h0.5
  text "PB3" at 34.188,34.544 h0.5
  text "PA2" at 2.845,34.112 h0.5
  text "PA12" at 33.325,33.96 h0.5
  text "PA11" at 32.842,33.274 h0.5
  text "PA10" at 32.817,32.614 h0.5
  text "PA9" at 32.766,31.877 h0.5
  text "PA3" at 2.845,31.42 h0.5
  text "PA4" at 2.845,28.981 h0.5
  text "GND" at 32.004,28.372 h0.5
  text "PA5" at 2.845,26.518 h0.5
  text "PA6" at 2.845,24.155 h0.5
  text "PA7" at 2.845,21.234 h0.5
  text "PB0" at 2.845,18.771 h0.5
  text "PB1" at 2.845,16.256 h0.5
  text "PB10" at 2.845,13.792 h0.5
  text "PB11" at 2.845,11.328 h0.5
  text "PA8" at 35.712,9.804 h0.5
  text "PB12" at 2.845,8.534 h0.5
  text "PB15" at 35.56,8.179 h0.5
  text "PB13" at 2.845,6.121 h0.5
  text "PB14" at 35.535,5.918 h0.5
  text "5V" at 2.845,3.505 h0.5
  text "3V3" at 35.814,3.505 h0.5
  text "GND" at 24.613,2.972 h0.5
  text "GND" at 35.865,2.616 h0.5
  text "CLK" at 24.486,2.007 h0.5
  text "DIO" at 24.511,1.118 h0.5
  text "GND" at 2.845,0.864 h0.5
  text "3V3" at 24.384,0.178 h0.5